# Altium PCB Iris.PcbDoc (part 6 of 13) (continued)
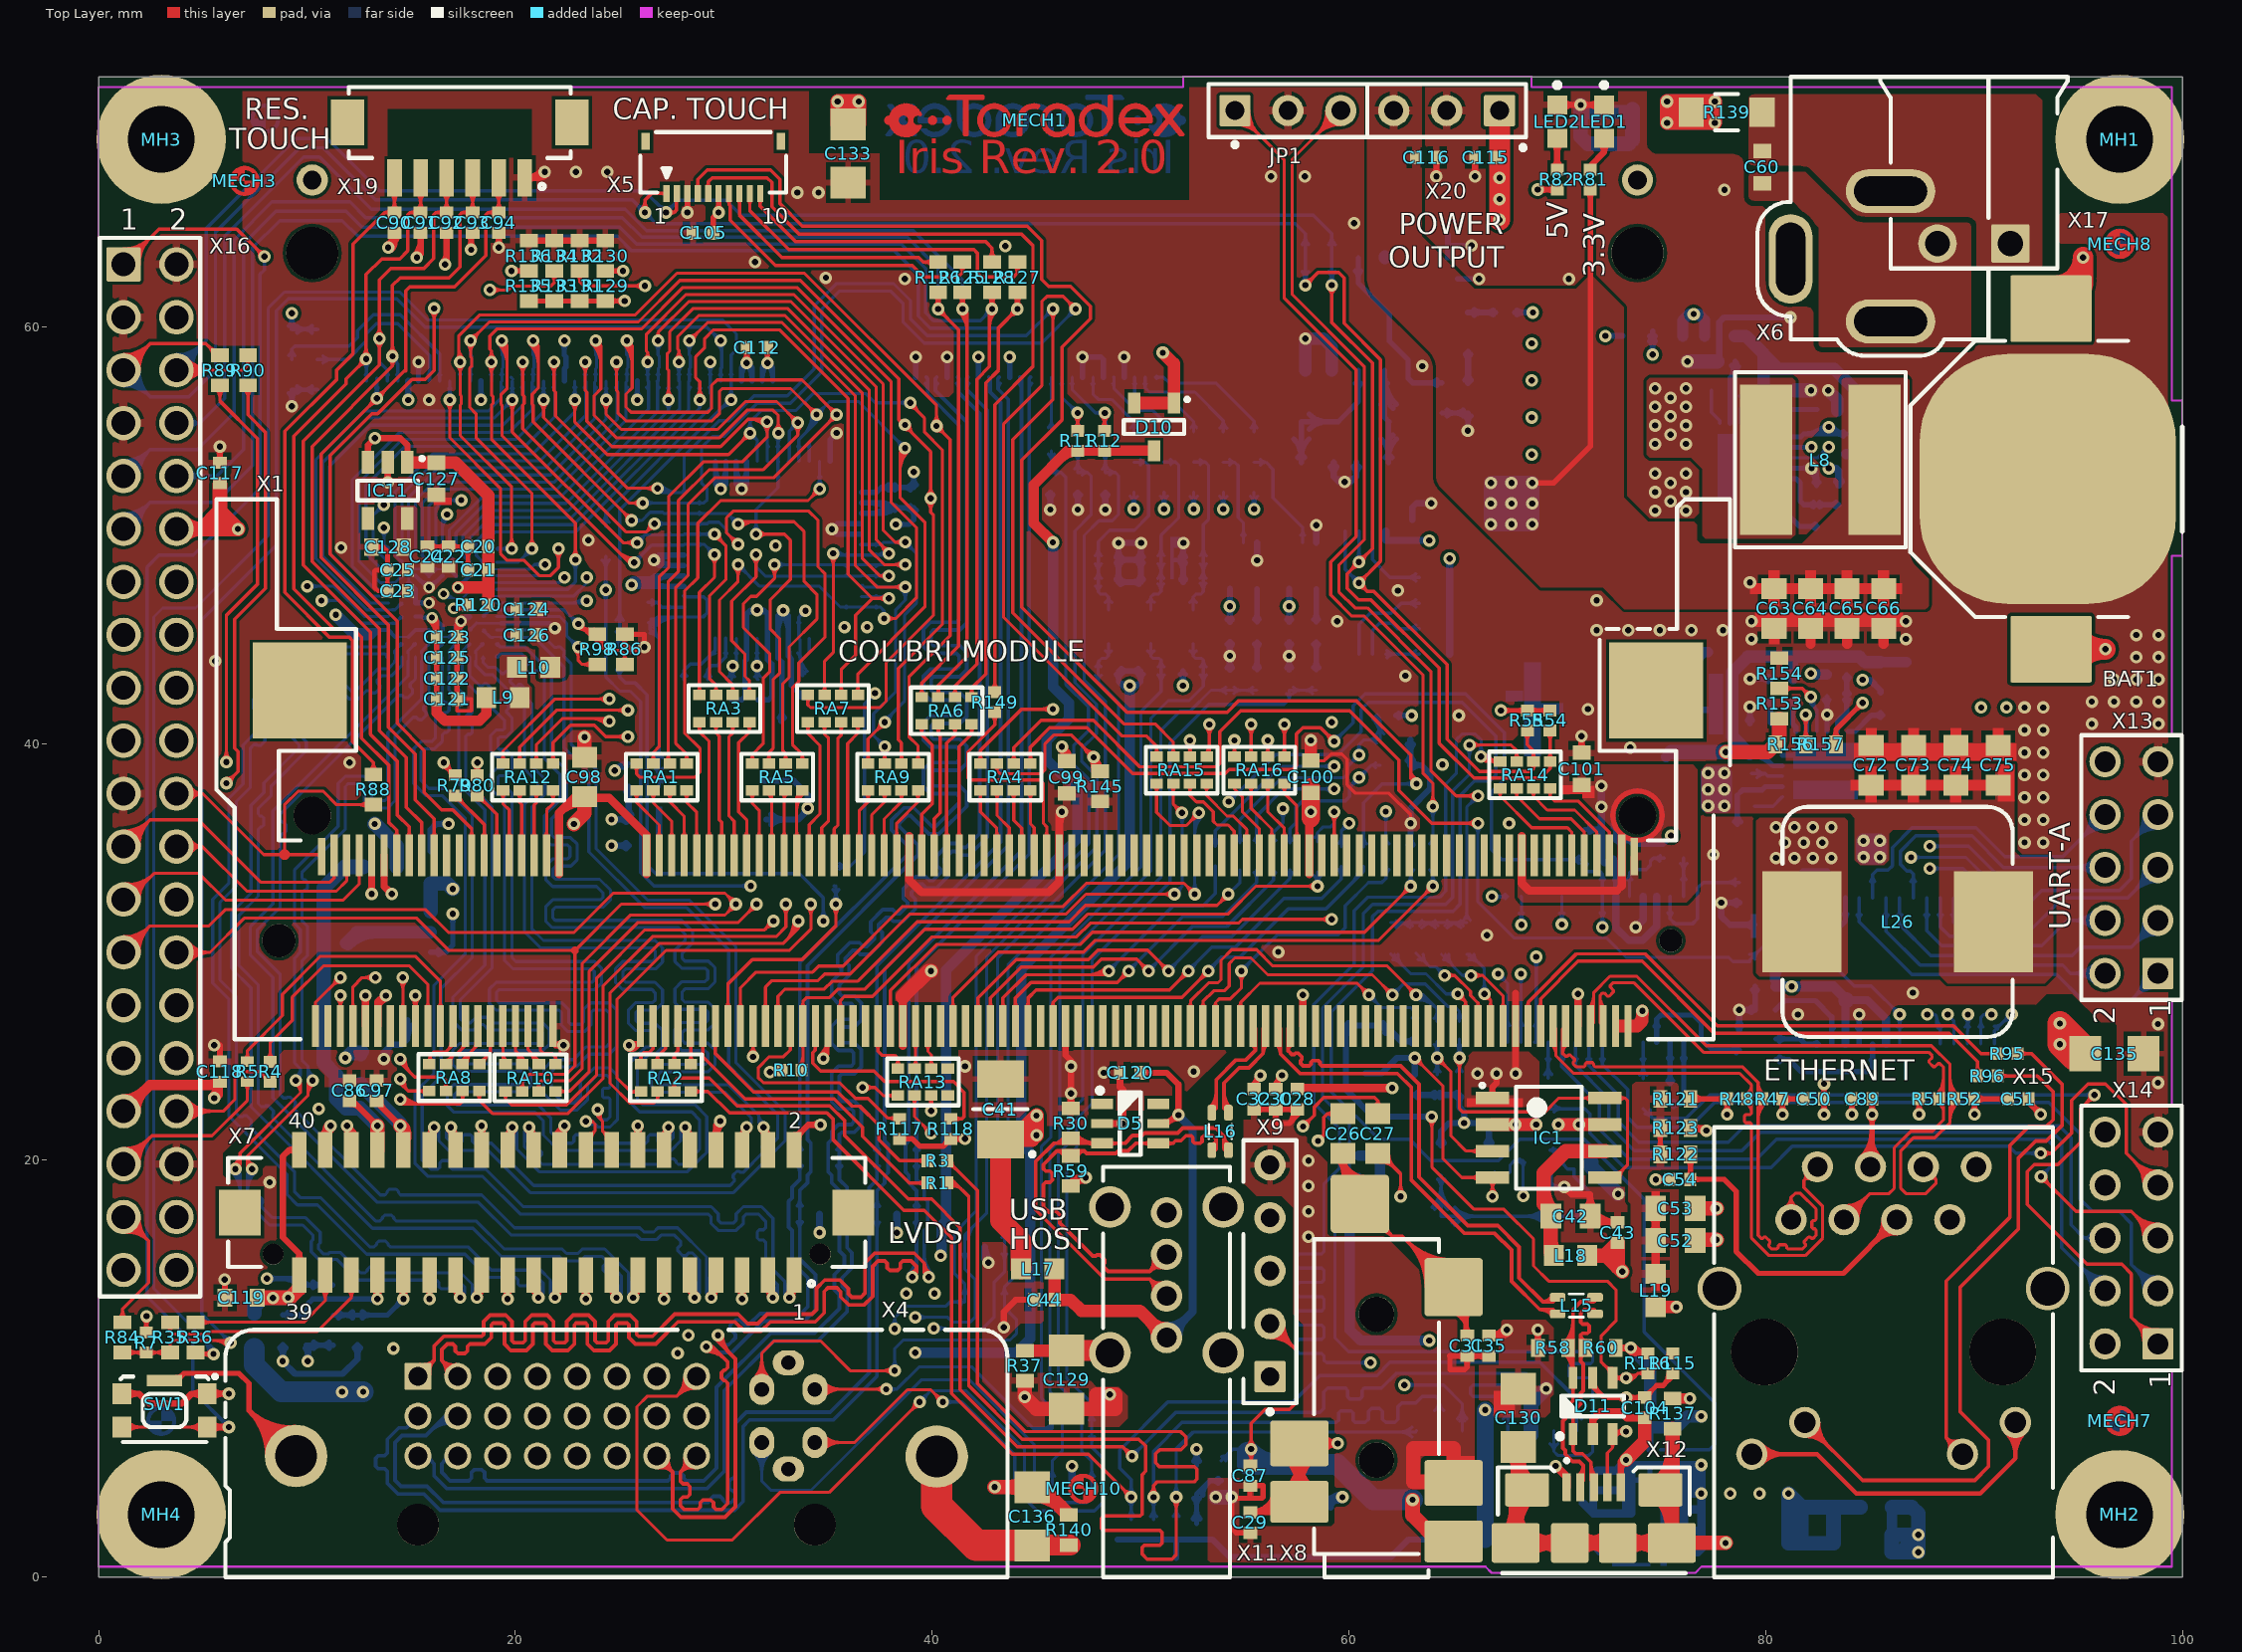
[diagram p0: Top Layer view]
## Nets (pads, with @x,y where several pads share a name; then routed paths per layer and width w, separated by ;. In a path a pad name is that pad's centre, name@x,y a point inside that pad or via, vN(x,y) a via of type N, cw(c..) or ccw(c..) an arc to the next point about the centre after c; other vN are vias at no path point) (continued)
LINEIN_R: C32.2 X1.7 X9.3 | length 71.6
  Top Layer w0.152: X1.7@12.13,27.366 ccw(c11.961,27.535) 12.2,27.535 ccw(c12.439,27.535) X1.7@12.27,27.366 ; X1.7@12.2,26.446 12.2,28.329 12.64,28.769 v1(13.286,28.769) ; v1@13.127,28.61 ccw(c12.745,28.228) 12.745,28.769 ccw(c12.745,29.309) v1@13.127,28.927 ; C32.2@55.351,23.617 ccw(c55.272,23.774) 55.448,23.774 ; C32.2@55.409,23.382 cw(c55.71,23.549) 55.467,23.793 ; C32.2@55.448,23.426 55.448,23.774 ; 55.49,23.729 cw(c55.712,23.601) v1@55.734,23.856 ; 55.501,23.747 ccw(c55.188,23.928) v1@55.537,24.021 ; v1@55.533,24.041 cw(c55.234,23.989) 55.448,23.774 ; C32.2@55.542,23.456 cw(c55.895,23.651) v1@55.61,23.936 ; C32.2@55.545,23.617 cw(c55.625,23.774) 55.448,23.774 ; C32.2@55.675,23.53 cw(c56.079,23.753) v1(55.753,24.079) 55.448,23.774 ; v1@55.715,23.859 ccw(c55.663,23.56) 55.448,23.774 ; X9.3@55.863,14.7 56.043,14.88 X9.3@56.522,14.88
  MidLayer2 w0.165: v1(13.286,28.769) 13.829,29.312 15.314,29.312 15.825,28.8 35.331,28.8 38.077,26.054 53.778,26.054 v1(55.753,24.079) 56.363,23.47 57.345,23.47 59.087,21.728 59.087,16.491 57.296,14.7 ; v1@13.286,28.986 ccw(c13.286,29.511) 13.657,29.14 ccw(c14.028,28.769) v1@13.503,28.769 ; v1@55.535,24.079 ccw(c55.01,24.079) 55.382,24.45 ccw(c55.753,24.822) v1@55.753,24.297 ; v1@55.753,23.862 cw(c55.753,23.337) 56.124,23.708 cw(c56.496,24.079) v1@55.971,24.079 ; X9.3@56.213,14.7 57.296,14.7 ; X9.3@56.662,14.474 cw(c57.028,14.29) 57.028,14.7 cw(c57.028,15.11) X9.3@56.662,14.926 ; X9.3@56.809,14.4 cw(c57.296,14.156) 57.296,14.7 ; X9.3@56.809,15 ccw(c57.296,15.244) 57.296,14.7
LVDS_3.3V: C97.2 L25.2 R40.2 R44.1 X7.32 | length 27.5
  Top Layer w0.3: C97.2@13.43,22.853 13.357,22.779 v1(14.478,21.658) v1@14.478,21.703 ; C97.2@13.515,22.853 ccw(c14.075,22.853) 13.679,22.457 ; v1@14.328,21.658 ccw(c13.966,21.658) 14.222,21.914 ccw(c14.478,22.17) v1@14.478,21.808
  Top Layer w0.7: X7.32@14.625,20.5 14.625,21.511 v1(14.478,21.658) cw(c14.033,21.213) X7.32@14.625,21
  MidLayer2 w0.254: v1@9.911,10.486 ccw(c9.615,10.781) 10.033,10.781 ccw(c10.451,10.781) v1@10.155,10.486 ; v1(10.033,10.363) 10.033,17.213 v1(14.478,21.658) ; v1@14.305,21.658 cw(c13.887,21.658) 14.183,21.362 cw(c14.478,21.067) v1@14.478,21.485
  Bottom Layer w0.254: R44.1@9.902,10.987 cw(c9.564,10.649) 10.042,10.649 cw(c10.52,10.649) R44.1@10.182,10.987 ; v1@9.911,10.486 ccw(c9.593,10.803) R44.1@10.042,10.803 ; v1@9.929,10.502 ccw(c9.79,10.689) 10.015,10.749 ; R44.1@9.967,11.127 R40.2@11.261,11.127 ; v1@10.042,10.343 R44.1@10.042,11.127 ; 10.042,10.759 ccw(c10.428,10.759) v1@10.155,10.486 ; 10.077,10.779 ccw(c10.371,10.7) v1@10.156,10.485 ; R44.1@10.317,10.992 cw(c10.643,10.666) 10.643,11.127 ; R44.1@10.317,11.272 ccw(c10.667,11.622) 10.667,11.127 ; 10.706,11.127 ccw(c10.706,11.622) R40.2@11.056,11.272 ; 10.73,11.127 cw(c10.73,10.666) R40.2@11.056,10.992
  Bottom Layer w0.7: L25.2@12.575,23.662 14.478,21.759 v1(14.478,21.658)
LVDS_5V: C86.2 L31.2 R41.1 R45.2 X7.34 | length 37.8
  Top Layer w0.3: C86.2@12.04,22.853 12.18,22.853 v1(13.375,21.658) ; C86.2@12.08,22.713 cw(c12.08,22.132) 12.49,22.543 ; v1@13.225,21.658 ccw(c12.863,21.658) 13.119,21.914 ccw(c13.375,22.17) v1@13.375,21.808
  Top Layer w0.7: X7.34@13.375,20.5 v1(13.375,21.658)
  MidLayer2 w0.254: v1(8.077,14.326) 8.763,14.326 9.322,14.884 9.322,17.604 v1(13.375,21.658) ; v1@8.2,14.203 cw(c8.495,13.908) 8.495,14.326 cw(c8.495,14.743) v1@8.2,14.448 ; v1@13.202,21.658 cw(c12.784,21.658) 13.08,21.362 cw(c13.375,21.067) v1@13.375,21.485
  Bottom Layer w0.254: v1(8.077,14.326) 9.627,14.326 9.933,14.019 R41.1@11.227,14.019 ; v1@8.2,14.203 cw(c8.495,13.908) 8.495,14.326 cw(c8.495,14.743) v1@8.2,14.448 ; 8.737,14.326 cw(c8.737,12.819) R45.2@9.802,13.884 ; 9.35,14.326 cw(c9.35,13.432) R45.2@9.982,14.064 ; R45.2@10.282,13.884 cw(c10.608,13.558) 10.608,14.019 ; R45.2@10.282,14.164 ccw(c10.632,14.515) 10.632,14.019 ; 10.671,14.019 ccw(c10.671,14.515) R41.1@11.021,14.164 ; 10.696,14.019 cw(c10.696,13.559) R41.1@11.021,13.884
  Bottom Layer w0.7: L31.2@12.713,34.087 11.811,34.087 10.795,33.071 10.795,24.689 11.405,24.079 11.405,22.962 11.862,22.504 12.528,22.504 v1(13.375,21.658)
LVDS_A_CLK_N: IC9.B4 X7.27 | length 63.7
  Top Layer w0.15: v1@6.448,19.78 ccw(c6.137,20.345) 6.782,20.345 ; v1@6.521,19.649 ccw(c6.277,20.091) 6.782,20.091 ; v1(6.557,19.583) 6.782,19.808 ; v1@6.593,19.518 ccw(c6.417,19.837) 6.782,19.837 ; v1@6.654,19.786 ccw(c6.702,19.888) 6.782,19.808 ; v1@6.76,19.68 cw(c6.861,19.729) 6.782,19.808 ; v1@9.392,23.662 cw(c9.261,23.258) 9.686,23.258 ; v1@9.438,23.754 cw(c9.328,23.413) 9.686,23.413 ; v1(9.461,23.825) 9.686,23.6 ; v1@9.484,23.897 cw(c9.394,23.619) 9.686,23.619 ; v1@9.558,23.622 cw(c9.606,23.521) 9.686,23.6 ; v1@9.664,23.728 ccw(c9.765,23.68) 9.686,23.6 ; X7.27@17.025,13.807 ccw(c17.321,13.978) v1@17.339,13.636 ; X7.27@17.05,13.735 cw(c17.022,13.636) 17.125,13.636 ; X7.27@17.096,13.683 ccw(c17.219,13.753) v1@17.269,13.621 ; X7.27@17.101,13.726 ccw(c17.422,13.812) v1@17.363,13.485 ; X7.27@17.106,14.016 ccw(c17.316,13.836) 17.121,13.641 ; X7.27@17.109,13.694 ccw(c17.383,13.768) v1@17.357,13.486 ; X7.27@17.125,13.773 ccw(c17.712,13.773) v1@17.297,13.358 ; X7.27@17.125,14.135 ccw(c18.074,14.135) v1@17.403,13.464 ; X7.27@17.125,14.498 ccw(c18.436,14.498) v1@17.509,13.57 ; X7.27@17.125,14.5 17.125,13.636 ; v1@17.147,13.508 ccw(c17.045,13.557) 17.125,13.636 ; v1@17.151,13.517 ccw(c17.005,13.594) 17.148,13.677 ccw(c17.246,13.733) v1@17.281,13.625 ; X7.27@17.2,13.735 ccw(c17.228,13.636) 17.125,13.636 ; X7.27@17.22,13.919 ccw(c17.44,13.731) v1@17.235,13.526 ; v1@17.253,13.614 cw(c17.205,13.716) 17.125,13.636 ; X7.27@17.334,13.821 ccw(c17.564,13.625) v1(17.35,13.411) 17.125,13.636 ; 6.782,19.808 6.782,20.345 ; 6.782,20.345 9.686,23.249 9.686,23.6 ; X7.27@17.107,13.664 cw(c16.885,13.536) 17.133,13.469 ccw(c16.885,13.536) X7.27@17.107,13.664
  Bottom Layer w0.105: 15.523,43.961 15.523,44.337
  Bottom Layer w0.15: v1@6.398,19.424 cw(c5.47,18.497) 6.782,18.497 ; v1@6.504,19.53 cw(c5.833,18.859) 6.782,18.859 ; v1(6.557,19.583) 6.782,19.358 6.782,18.313 7.573,17.523 8.199,16.897 9.786,16.897 10.281,16.402 10.281,16.193 10.199,16.11 10.199,15.612 10.655,15.156 11.153,15.156 11.236,15.239 11.445,15.239 12.428,14.255 12.79,14.255 16.209,14.255 16.319,14.145 16.319,13.946 16.429,13.836 16.759,13.836 16.869,13.946 16.869,14.145 16.979,14.255 17.229,14.255 17.575,13.909 ; v1@6.61,19.636 cw(c6.195,19.221) 6.782,19.221 ; v1@9.411,24.045 ccw(c9.333,24.389) 9.686,24.389 ; v1@9.444,23.898 ccw(c9.376,24.201) 9.686,24.201 ; v1(9.461,23.825) 9.686,24.05 9.686,24.389 ; 15.5,43.961 15.5,42.155 13.874,40.529 13.874,37.407 13.723,37.256 13.239,37.256 13.106,37.389 13.106,38.075 12.751,38.43 11.836,38.43 11.486,38.08 11.486,36.035 9.404,33.952 9.404,31.351 9.677,31.077 9.677,29.984 9.404,29.711 9.404,24.671 9.686,24.389 ; 15.5,44.337 15.5,44.45 IC9.B4@15.85,44.8 ; IC9.B4@15.78,44.8 cw(c15.611,44.8) 15.731,44.681 cw(c15.85,44.561) IC9.B4@15.85,44.73 ; v1@17.328,13.635 ccw(c17.3,13.909) 17.575,13.909 ; v1@17.343,13.486 ccw(c17.317,13.743) 17.575,13.743 ; v1(17.35,13.411) 17.575,13.636 17.575,13.909
LVDS_A_CLK_P: IC9.A4 X7.25 | length 64.6
  Top Layer w0.15: 7.132,19.789 ccw(c7.423,19.789) v1@7.334,19.512 ; 7.132,19.995 ccw(c7.489,19.995) v1@7.38,19.655 ; v1@7.154,19.68 ccw(c7.052,19.729) 7.132,19.808 ; v1@7.26,19.786 cw(c7.211,19.888) 7.132,19.808 ; v1(7.357,19.583) 7.132,19.808 ; v1@7.426,19.798 cw(c7.555,20.2) 7.132,20.2 ; 10.036,23.121 cw(c10.669,23.121) v1@10.368,23.678 ; 10.036,23.322 cw(c10.533,23.322) v1@10.296,23.759 ; 10.036,23.574 cw(c10.397,23.574) v1@10.225,23.891 ; v1@10.058,23.728 cw(c9.956,23.68) 10.036,23.6 ; v1@10.164,23.622 ccw(c10.115,23.521) 10.036,23.6 ; v1(10.261,23.825) 10.036,23.6 ; v1@17.991,13.57 ccw(c17.064,14.498) X7.25@18.375,14.498 ; v1@18.097,13.464 ccw(c17.426,14.135) X7.25@18.375,14.135 ; v1@18.137,13.485 ccw(c18.078,13.812) X7.25@18.399,13.726 ; v1@18.143,13.486 ccw(c18.117,13.768) X7.25@18.391,13.694 ; v1@18.161,13.636 ccw(c18.179,13.978) X7.25@18.475,13.807 ; X7.25@18.166,13.821 cw(c17.936,13.625) v1(18.15,13.411) 18.375,13.636 ; v1@18.203,13.358 ccw(c17.788,13.773) X7.25@18.375,13.773 ; v1@18.219,13.625 ccw(c18.254,13.733) 18.352,13.677 ccw(c18.495,13.594) v1@18.349,13.517 ; v1@18.231,13.621 ccw(c18.281,13.753) X7.25@18.404,13.683 ; v1@18.247,13.614 ccw(c18.295,13.716) 18.375,13.636 ; v1@18.265,13.526 ccw(c18.06,13.731) X7.25@18.28,13.919 ; X7.25@18.3,13.735 cw(c18.272,13.636) 18.375,13.636 ; v1@18.353,13.508 cw(c18.455,13.557) 18.375,13.636 ; X7.25@18.375,14.5 18.375,13.636 ; 18.379,13.641 ccw(c18.184,13.836) X7.25@18.394,14.016 ; X7.25@18.45,13.735 ccw(c18.478,13.636) 18.375,13.636 ; 7.132,19.808 7.132,20.2 ; 7.132,20.2 10.036,23.104 10.036,23.6 ; v1@18.367,13.469 cw(c18.615,13.536) 18.393,13.664 ccw(c18.615,13.536) v1@18.367,13.469
  Bottom Layer w0.15: 7.132,18.497 cw(c8.443,18.497) v1@7.516,19.424 ; 7.132,18.859 cw(c8.081,18.859) v1@7.41,19.53 ; 7.132,19.221 cw(c7.719,19.221) v1@7.304,19.636 ; v1(7.357,19.583) 7.132,19.358 7.132,18.458 7.276,18.315 7.431,18.315 7.469,18.353 7.625,18.353 7.858,18.119 7.858,17.964 7.82,17.926 7.82,17.77 8.344,17.247 9.931,17.247 10.631,16.547 10.631,16.048 10.549,15.965 10.549,15.757 10.8,15.506 11.008,15.506 11.091,15.589 11.589,15.589 12.573,14.605 12.79,14.605 12.9,14.715 12.9,14.769 13.01,14.879 13.34,14.879 13.45,14.769 13.45,14.715 13.56,14.605 17.374,14.605 17.925,14.054 ; 10.036,24.061 ccw(c10.372,24.061) v1@10.229,23.757 ; 10.036,24.297 ccw(c10.482,24.297) v1@10.293,23.893 ; v1(10.261,23.825) 10.036,24.05 10.036,24.534 ; v1@10.356,24.029 cw(c10.593,24.534) 10.036,24.534 ; IC9.A4@15.85,44.15 15.85,42.01 15.812,41.973 15.598,41.759 15.598,41.617 15.718,41.497 15.718,41.356 15.506,41.144 15.365,41.144 15.245,41.264 15.104,41.264 14.224,40.384 14.224,37.262 13.868,36.906 13.094,36.906 12.756,37.244 12.756,37.93 12.606,38.08 11.981,38.08 11.836,37.935 11.836,35.89 9.754,33.807 9.754,33.557 9.854,33.457 9.916,33.457 10.016,33.357 10.016,33.057 9.916,32.957 9.854,32.957 9.754,32.857 9.754,31.496 10.027,31.222 10.027,29.839 9.754,29.566 9.754,24.816 10.036,24.534 ; 17.925,13.625 ccw(c18.228,13.625) v1@18.124,13.341 ; 17.925,13.839 ccw(c18.306,13.839) v1@18.176,13.482 ; v1(18.15,13.411) 17.925,13.636 17.925,14.054 ; v1@18.227,13.623 cw(c18.384,14.054) 17.925,14.054
LVDS_A_TX0_N: IC9.B1 X7.21 | length 60.9
  Top Layer w0.15: X7.21@20.775,13.807 ccw(c21.071,13.978) v1@21.089,13.636 ; X7.21@20.8,13.735 cw(c20.772,13.636) 20.875,13.636 ; X7.21@20.846,13.683 ccw(c20.969,13.753) v1@21.019,13.621 ; X7.21@20.851,13.726 ccw(c21.172,13.812) v1@21.113,13.485 ; X7.21@20.856,14.016 ccw(c21.066,13.836) 20.871,13.641 ; X7.21@20.859,13.694 ccw(c21.133,13.768) v1@21.107,13.486 ; X7.21@20.875,13.773 ccw(c21.462,13.773) v1@21.047,13.358 ; X7.21@20.875,14.135 ccw(c21.824,14.135) v1@21.153,13.464 ; X7.21@20.875,14.498 ccw(c22.186,14.498) v1@21.259,13.57 ; X7.21@20.875,14.5 20.875,13.636 ; v1@20.897,13.508 ccw(c20.795,13.557) 20.875,13.636 ; v1@20.901,13.517 ccw(c20.755,13.594) 20.898,13.677 ccw(c20.996,13.733) v1@21.031,13.625 ; X7.21@20.95,13.735 ccw(c20.978,13.636) 20.875,13.636 ; X7.21@20.97,13.919 ccw(c21.19,13.731) v1@20.985,13.526 ; v1@21.003,13.614 cw(c20.955,13.716) 20.875,13.636 ; X7.21@21.084,13.821 ccw(c21.314,13.625) v1(21.1,13.411) 20.875,13.636 ; X7.21@20.857,13.664 cw(c20.635,13.536) 20.883,13.469 ccw(c20.635,13.536) X7.21@20.857,13.664
  Bottom Layer w0.15: IC9.B1@13.83,44.8 cw(c13.661,44.8) 13.781,44.681 cw(c13.9,44.561) IC9.B1@13.9,44.73 ; IC9.B1@13.9,44.8 13.75,44.65 11.643,44.65 10.65,43.657 10.449,43.657 9.935,44.171 9.449,44.171 8.915,43.637 8.915,43.189 9.48,42.624 9.48,42.487 9.132,42.139 8.969,42.139 8.436,42.671 7.95,42.671 7.416,42.137 7.416,41.69 7.981,41.125 7.981,40.988 7.192,40.199 6.928,39.935 6.928,38.056 6.254,37.381 6.254,33.305 5.469,32.52 5.469,28.516 6.254,27.731 6.254,22.105 9.042,19.317 9.042,18.357 9.537,17.862 10.498,17.862 12.861,15.498 13.223,15.498 17.585,15.498 18.702,14.382 20.019,14.382 20.117,14.284 20.117,14.075 20.215,13.977 20.509,13.977 20.607,14.075 20.607,14.284 20.705,14.382 21.064,14.382 21.325,14.121 ; v1@21.004,13.615 ccw(c20.765,14.121) 21.325,14.121 ; v1@21.068,13.479 ccw(c20.877,13.884) 21.325,13.884 ; v1(21.1,13.411) 21.325,13.636 21.325,14.121 ; v1@21.132,13.343 ccw(c20.988,13.648) 21.325,13.648
LVDS_A_TX0_P: IC9.A1 X7.19 | length 61.2
  Top Layer w0.15: v1@21.741,13.57 ccw(c20.814,14.498) X7.19@22.125,14.498 ; v1@21.847,13.464 ccw(c21.176,14.135) X7.19@22.125,14.135 ; v1@21.887,13.485 ccw(c21.828,13.812) X7.19@22.149,13.726 ; v1@21.893,13.486 ccw(c21.867,13.768) X7.19@22.141,13.694 ; v1@21.911,13.636 ccw(c21.929,13.978) X7.19@22.225,13.807 ; X7.19@21.916,13.821 cw(c21.686,13.625) v1(21.9,13.411) 22.125,13.636 ; v1@21.953,13.358 ccw(c21.538,13.773) X7.19@22.125,13.773 ; v1@21.969,13.625 ccw(c22.004,13.733) 22.102,13.677 ccw(c22.245,13.594) v1@22.099,13.517 ; v1@21.981,13.621 ccw(c22.031,13.753) X7.19@22.154,13.683 ; v1@21.997,13.614 ccw(c22.045,13.716) 22.125,13.636 ; v1@22.015,13.526 ccw(c21.81,13.731) X7.19@22.03,13.919 ; X7.19@22.05,13.735 cw(c22.022,13.636) 22.125,13.636 ; v1@22.103,13.508 cw(c22.205,13.557) 22.125,13.636 ; X7.19@22.125,14.5 22.125,13.636 ; 22.129,13.641 ccw(c21.934,13.836) X7.19@22.144,14.016 ; X7.19@22.2,13.735 ccw(c22.228,13.636) 22.125,13.636 ; v1@22.117,13.469 cw(c22.365,13.536) 22.143,13.664 ccw(c22.365,13.536) v1@22.117,13.469
  Bottom Layer w0.15: IC9.A1@13.83,44.15 ccw(c13.661,44.15) 13.781,44.269 ccw(c13.9,44.389) IC9.A1@13.9,44.22 ; IC9.A1@13.9,44.15 13.75,44.3 11.788,44.3 11.597,44.109 11.597,43.968 11.641,43.924 11.641,43.782 11.429,43.57 11.288,43.57 11.244,43.614 11.102,43.614 10.795,43.307 10.304,43.307 9.791,43.821 9.594,43.821 9.265,43.492 9.265,43.334 9.83,42.769 9.83,42.342 9.277,41.789 8.824,41.789 8.291,42.321 8.095,42.321 7.766,41.992 7.766,41.835 8.331,41.27 8.331,40.843 7.934,40.446 7.934,40.305 7.978,40.261 7.978,40.119 7.766,39.907 7.624,39.907 7.581,39.951 7.439,39.951 7.278,39.79 7.278,37.911 6.604,37.236 6.604,33.16 5.819,32.375 5.819,28.661 6.604,27.876 6.604,22.25 6.748,22.107 6.903,22.107 6.941,22.145 7.097,22.145 7.33,21.911 7.33,21.756 7.292,21.718 7.292,21.562 9.392,19.462 9.392,18.502 9.682,18.212 10.643,18.212 13.006,15.848 13.223,15.848 13.333,15.958 13.333,16.012 13.443,16.122 13.773,16.122 13.883,16.012 13.883,15.958 13.993,15.848 17.73,15.848 18.847,14.732 21.209,14.732 21.675,14.266 ; 21.675,13.696 ccw(c22.096,13.696) v1@21.858,13.349 ; 21.675,13.981 ccw(c22.291,13.981) v1@21.942,13.473 ; v1(21.9,13.411) 21.675,13.636 21.675,14.266 ; v1@22.027,13.597 cw(c22.487,14.266) 21.675,14.266
LVDS_A_TX1_N: IC9.B2 X7.15 | length 61.1
  Top Layer w0.15: X7.15@24.525,13.807 ccw(c24.821,13.978) v1@24.839,13.636 ; X7.15@24.55,13.735 cw(c24.522,13.636) 24.625,13.636 ; X7.15@24.596,13.683 ccw(c24.719,13.753) v1@24.769,13.621 ; X7.15@24.601,13.726 ccw(c24.922,13.812) v1@24.863,13.485 ; X7.15@24.606,14.016 ccw(c24.816,13.836) 24.621,13.641 ; X7.15@24.609,13.694 ccw(c24.883,13.768) v1@24.857,13.486 ; X7.15@24.625,13.773 ccw(c25.212,13.773) v1@24.797,13.358 ; X7.15@24.625,14.135 ccw(c25.574,14.135) v1@24.903,13.464 ; X7.15@24.625,14.498 ccw(c25.936,14.498) v1@25.009,13.57 ; X7.15@24.625,14.5 24.625,13.636 ; v1@24.647,13.508 ccw(c24.545,13.557) 24.625,13.636 ; v1@24.651,13.517 ccw(c24.505,13.594) 24.648,13.677 ccw(c24.746,13.733) v1@24.781,13.625 ; X7.15@24.7,13.735 ccw(c24.728,13.636) 24.625,13.636 ; X7.15@24.72,13.919 ccw(c24.94,13.731) v1@24.735,13.526 ; v1@24.753,13.614 cw(c24.705,13.716) 24.625,13.636 ; X7.15@24.834,13.821 ccw(c25.064,13.625) v1(24.85,13.411) 24.625,13.636 ; X7.15@24.607,13.664 cw(c24.385,13.536) 24.633,13.469 ccw(c24.385,13.536) X7.15@24.607,13.664
  Bottom Layer w0.105: 14.223,43.961 14.223,44.337
  Bottom Layer w0.15: 14.2,43.961 14.2,43.9 13.9,43.6 13.417,43.6 12.613,42.796 12.312,42.494 12.151,42.494 11.824,42.821 11.374,42.821 10.813,42.261 10.813,41.81 11.14,41.483 11.14,41.323 10.784,40.967 10.624,40.967 10.297,41.294 9.847,41.294 9.286,40.733 9.286,40.283 9.613,39.956 9.613,39.795 7.93,38.113 7.93,37.661 7.308,37.038 7.308,36.621 7.308,32.822 6.368,31.882 6.368,29.218 7.308,28.277 7.308,22.575 13.141,16.742 14.273,16.742 17.967,16.742 19.312,15.397 22.093,15.397 22.309,15.182 23.144,15.182 23.36,15.397 24.138,15.397 24.338,15.198 24.338,15.042 24.197,14.902 24.197,14.746 24.43,14.513 24.586,14.513 24.727,14.653 24.882,14.653 25.075,14.46 25.075,13.636 v1(24.85,13.411) ; 14.2,44.337 14.2,44.45 IC9.B2@14.55,44.8 ; IC9.B2@14.48,44.8 cw(c14.311,44.8) 14.431,44.681 cw(c14.55,44.561) IC9.B2@14.55,44.73 ; v1@24.731,13.602 ccw(c24.341,14.224) 25.075,14.224 ; v1@24.81,13.475 ccw(c24.511,13.953) 25.075,13.953 ; v1@24.89,13.348 ccw(c24.68,13.682) 25.075,13.682
LVDS_A_TX1_P: IC9.A2 X7.13 | length 61.4
  Top Layer w0.15: v1@25.491,13.57 ccw(c24.564,14.498) X7.13@25.875,14.498 ; v1@25.597,13.464 ccw(c24.926,14.135) X7.13@25.875,14.135 ; v1@25.637,13.485 ccw(c25.578,13.812) X7.13@25.899,13.726 ; v1@25.643,13.486 ccw(c25.617,13.768) X7.13@25.891,13.694 ; v1@25.661,13.636 ccw(c25.679,13.978) X7.13@25.975,13.807 ; X7.13@25.666,13.821 cw(c25.436,13.625) v1(25.65,13.411) 25.875,13.636 ; v1@25.703,13.358 ccw(c25.288,13.773) X7.13@25.875,13.773 ; v1@25.719,13.625 ccw(c25.754,13.733) 25.852,13.677 ccw(c25.995,13.594) v1@25.849,13.517 ; v1@25.731,13.621 ccw(c25.781,13.753) X7.13@25.904,13.683 ; v1@25.747,13.614 ccw(c25.795,13.716) 25.875,13.636 ; v1@25.765,13.526 ccw(c25.56,13.731) X7.13@25.78,13.919 ; X7.13@25.8,13.735 cw(c25.772,13.636) 25.875,13.636 ; v1@25.853,13.508 cw(c25.955,13.557) 25.875,13.636 ; X7.13@25.875,14.5 25.875,13.636 ; 25.879,13.641 ccw(c25.684,13.836) X7.13@25.894,14.016 ; X7.13@25.95,13.735 ccw(c25.978,13.636) 25.875,13.636 ; v1@25.867,13.469 cw(c26.115,13.536) 25.893,13.664 ccw(c26.115,13.536) v1@25.867,13.469
  Bottom Layer w0.15: IC9.A2@14.55,44.15 14.55,43.755 14.045,43.25 13.562,43.25 13.376,43.063 13.376,42.916 13.493,42.798 13.493,42.651 13.273,42.431 13.126,42.431 13.008,42.548 12.861,42.548 12.457,42.144 12.006,42.144 11.679,42.471 11.519,42.471 11.163,42.116 11.163,41.955 11.49,41.628 11.49,41.178 10.929,40.617 10.479,40.617 10.152,40.944 9.992,40.944 9.636,40.588 9.636,40.428 9.963,40.101 9.963,39.65 8.28,37.968 8.28,37.516 7.658,36.893 7.658,36.621 7.762,36.517 7.821,36.517 7.925,36.413 7.925,36.101 7.821,35.997 7.762,35.997 7.658,35.893 7.658,32.677 6.718,31.737 6.718,29.363 7.658,28.422 7.658,22.72 7.802,22.577 7.957,22.577 7.995,22.615 8.151,22.615 8.384,22.381 8.384,22.226 8.346,22.188 8.346,22.032 13.286,17.092 13.503,17.092 13.613,17.202 13.613,17.256 13.723,17.366 14.053,17.366 14.163,17.256 14.163,17.202 14.273,17.092 18.112,17.092 19.457,15.747 22.238,15.747 22.453,15.532 22.999,15.532 23.215,15.747 24.283,15.747 24.585,15.445 25.13,14.901 25.425,14.605 25.425,13.636 v1(25.65,13.411) ; 25.425,13.773 ccw(c26.012,13.773) v1@25.597,13.358 ; 25.425,14.135 ccw(c26.374,14.135) v1@25.703,13.464 ; 25.425,14.498 ccw(c26.736,14.498) v1@25.809,13.57
LVDS_A_TX2_N: IC9.B3 X7.9 | length 61.7
  Top Layer w0.15: X7.9@28.275,13.807 ccw(c28.571,13.978) v1@28.589,13.636 ; X7.9@28.3,13.735 cw(c28.272,13.636) 28.375,13.636 ; X7.9@28.346,13.683 ccw(c28.469,13.753) v1@28.519,13.621 ; X7.9@28.351,13.726 ccw(c28.672,13.812) v1@28.613,13.485 ; X7.9@28.356,14.016 ccw(c28.566,13.836) 28.371,13.641 ; X7.9@28.359,13.694 ccw(c28.633,13.768) v1@28.607,13.486 ; X7.9@28.375,13.773 ccw(c28.962,13.773) v1@28.547,13.358 ; X7.9@28.375,14.135 ccw(c29.324,14.135) v1@28.653,13.464 ; X7.9@28.375,14.498 ccw(c29.686,14.498) v1@28.759,13.57 ; X7.9@28.375,14.5 28.375,13.636 ; v1@28.397,13.508 ccw(c28.295,13.557) 28.375,13.636 ; v1@28.401,13.517 ccw(c28.255,13.594) 28.398,13.677 ccw(c28.496,13.733) v1@28.531,13.625 ; X7.9@28.45,13.735 ccw(c28.478,13.636) 28.375,13.636 ; X7.9@28.47,13.919 ccw(c28.69,13.731) v1@28.485,13.526 ; v1@28.503,13.614 cw(c28.455,13.716) 28.375,13.636 ; X7.9@28.584,13.821 ccw(c28.814,13.625) v1(28.6,13.411) 28.375,13.636 ; X7.9@28.357,13.664 cw(c28.135,13.536) 28.383,13.469 ccw(c28.135,13.536) X7.9@28.357,13.664
  Bottom Layer w0.105: 14.873,43.961 14.873,44.337
  Bottom Layer w0.15: 14.85,43.961 14.85,43.255 8.362,36.767 8.362,32.301 7.266,31.205 7.266,29.869 8.362,28.773 8.362,22.994 13.368,17.989 18.232,17.989 19.808,16.412 25.817,16.412 26.022,16.207 26.787,16.207 26.992,16.412 27.631,16.412 27.935,16.108 27.935,15.953 27.795,15.812 27.795,15.657 28.028,15.423 28.184,15.423 28.324,15.564 28.48,15.564 28.825,15.219 28.825,13.636 v1(28.6,13.411) ; 14.85,44.337 14.85,44.45 IC9.B3@15.2,44.8 ; IC9.B3@15.13,44.8 cw(c14.961,44.8) 15.08,44.681 cw(c15.2,44.561) IC9.B3@15.2,44.73 ; v1@28.441,13.57 ccw(c27.514,14.498) 28.825,14.498 ; v1@28.547,13.464 ccw(c27.876,14.135) 28.825,14.135 ; v1@28.653,13.358 ccw(c28.238,13.773) 28.825,13.773
LVDS_A_TX2_P: IC9.A3 X7.7 | length 61.4
  Top Layer w0.15: v1@29.241,13.57 ccw(c28.314,14.498) X7.7@29.625,14.498 ; v1@29.347,13.464 ccw(c28.676,14.135) X7.7@29.625,14.135 ; v1@29.387,13.485 ccw(c29.328,13.812) X7.7@29.649,13.726 ; v1@29.393,13.486 ccw(c29.367,13.768) X7.7@29.641,13.694 ; v1@29.411,13.636 ccw(c29.429,13.978) X7.7@29.725,13.807 ; X7.7@29.416,13.821 cw(c29.186,13.625) v1(29.4,13.411) 29.625,13.636 ; v1@29.453,13.358 ccw(c29.038,13.773) X7.7@29.625,13.773 ; v1@29.469,13.625 ccw(c29.504,13.733) 29.602,13.677 ccw(c29.745,13.594) v1@29.599,13.517 ; v1@29.481,13.621 ccw(c29.531,13.753) X7.7@29.654,13.683 ; v1@29.497,13.614 ccw(c29.545,13.716) 29.625,13.636 ; v1@29.515,13.526 ccw(c29.31,13.731) X7.7@29.53,13.919 ; X7.7@29.55,13.735 cw(c29.522,13.636) 29.625,13.636 ; v1@29.603,13.508 cw(c29.705,13.557) 29.625,13.636 ; X7.7@29.625,14.5 29.625,13.636 ; 29.629,13.641 ccw(c29.434,13.836) X7.7@29.644,14.016 ; X7.7@29.7,13.735 ccw(c29.728,13.636) 29.625,13.636 ; v1@29.617,13.469 cw(c29.865,13.536) 29.643,13.664 ccw(c29.865,13.536) v1@29.617,13.469
  Bottom Layer w0.15: IC9.A3@15.2,44.15 15.2,43.11 14.952,42.861 14.952,42.706 15.066,42.591 15.066,42.436 14.832,42.203 14.677,42.203 14.563,42.317 14.407,42.317 8.712,36.622 8.712,36.333 8.822,36.223 8.876,36.223 8.986,36.113 8.986,35.783 8.876,35.673 8.822,35.673 8.712,35.563 8.712,32.156 7.616,31.06 7.616,30.014 8.712,28.918 8.712,23.139 8.856,22.996 9.012,22.996 9.05,23.034 9.205,23.034 9.438,22.8 9.438,22.645 9.4,22.607 9.4,22.451 13.513,18.339 13.73,18.339 13.84,18.449 13.84,18.503 13.95,18.613 14.28,18.613 14.39,18.503 14.39,18.449 14.5,18.339 18.377,18.339 19.953,16.762 25.962,16.762 26.167,16.557 26.642,16.557 26.847,16.762 27.776,16.762 29.175,15.364 29.175,13.636 v1(29.4,13.411) ; 29.175,13.773 ccw(c29.762,13.773) v1@29.347,13.358 ; 29.175,14.135 ccw(c30.124,14.135) v1@29.453,13.464 ; 29.175,14.498 ccw(c30.486,14.498) v1@29.559,13.57
LVDS_A_TX3_N: IC9.B5 X7.3 | length 60.8
  Top Layer w0.15: X7.3@32.025,13.807 ccw(c32.321,13.978) v1@32.339,13.636 ; X7.3@32.05,13.735 cw(c32.022,13.636) 32.125,13.636 ; X7.3@32.096,13.683 ccw(c32.219,13.753) v1@32.269,13.621 ; X7.3@32.101,13.726 ccw(c32.422,13.812) v1@32.363,13.485 ; X7.3@32.106,14.016 ccw(c32.316,13.836) 32.121,13.641 ; X7.3@32.109,13.694 ccw(c32.383,13.768) v1@32.357,13.486 ; X7.3@32.125,13.773 ccw(c32.712,13.773) v1@32.297,13.358 ; X7.3@32.125,14.135 ccw(c33.074,14.135) v1@32.403,13.464 ; X7.3@32.125,14.498 ccw(c33.436,14.498) v1@32.509,13.57 ; X7.3@32.125,14.5 32.125,13.636 ; v1@32.147,13.508 ccw(c32.045,13.557) 32.125,13.636 ; v1@32.151,13.517 ccw(c32.005,13.594) 32.148,13.677 ccw(c32.246,13.733) v1@32.281,13.625 ; X7.3@32.2,13.735 ccw(c32.228,13.636) 32.125,13.636 ; X7.3@32.22,13.919 ccw(c32.44,13.731) v1@32.235,13.526 ; v1@32.253,13.614 cw(c32.205,13.716) 32.125,13.636 ; X7.3@32.334,13.821 ccw(c32.564,13.625) v1(32.35,13.411) 32.125,13.636 ; X7.3@32.107,13.664 cw(c31.885,13.536) 32.133,13.469 ccw(c31.885,13.536) X7.3@32.107,13.664
  Bottom Layer w0.105: 16.173,43.961 16.173,44.337
  Bottom Layer w0.15: 16.15,43.961 16.15,40.267 15.984,40.101 15.463,40.101 15.119,39.757 15.119,38.082 15.705,37.496 16.504,37.496 17.582,36.418 17.582,29.888 16.084,28.39 16.084,24.173 15.172,23.262 15.172,19.867 15.811,19.229 16.964,19.229 18.427,19.229 20.229,17.427 ; 16.15,44.337 16.15,44.45 IC9.B5@16.5,44.8 ; IC9.B5@16.43,44.8 cw(c16.261,44.8) 16.38,44.681 cw(c16.5,44.561) IC9.B5@16.5,44.73 ; 20.229,17.427 29.247,17.427 29.386,17.288 29.386,16.98 29.731,16.635 30.601,16.635 30.946,16.98 30.946,17.288 31.085,17.427 31.659,17.427 ; 31.659,17.427 32.01,17.076 32.01,16.764 31.912,16.666 31.703,16.666 31.605,16.568 31.605,16.274 31.703,16.176 31.912,16.176 32.01,16.078 32.01,14.612 32.575,14.047 ; v1@32.275,13.623 ccw(c32.126,14.047) 32.575,14.047 ; v1@32.325,13.482 ccw(c32.201,13.835) 32.575,13.835 ; v1(32.35,13.411) 32.575,13.636 32.575,14.047 ; v1@32.375,13.34 ccw(c32.275,13.623) 32.575,13.623
LVDS_A_TX3_P: IC9.A5 X7.1 | length 60.8
  Top Layer w0.15: v1@32.991,13.57 ccw(c32.064,14.498) X7.1@33.375,14.498 ; v1@33.097,13.464 ccw(c32.426,14.135) X7.1@33.375,14.135 ; v1@33.137,13.485 ccw(c33.078,13.812) X7.1@33.399,13.726 ; v1@33.143,13.486 ccw(c33.117,13.768) X7.1@33.391,13.694 ; v1@33.161,13.636 ccw(c33.179,13.978) X7.1@33.475,13.807 ; X7.1@33.166,13.821 cw(c32.936,13.625) v1(33.15,13.411) 33.375,13.636 ; v1@33.203,13.358 ccw(c32.788,13.773) X7.1@33.375,13.773 ; v1@33.219,13.625 ccw(c33.254,13.733) 33.352,13.677 ccw(c33.495,13.594) v1@33.349,13.517 ; v1@33.231,13.621 ccw(c33.281,13.753) X7.1@33.404,13.683 ; v1@33.247,13.614 ccw(c33.295,13.716) 33.375,13.636 ; v1@33.265,13.526 ccw(c33.06,13.731) X7.1@33.28,13.919 ; X7.1@33.3,13.735 cw(c33.272,13.636) 33.375,13.636 ; v1@33.353,13.508 cw(c33.455,13.557) 33.375,13.636 ; X7.1@33.375,14.5 33.375,13.636 ; 33.379,13.641 ccw(c33.184,13.836) X7.1@33.394,14.016 ; X7.1@33.45,13.735 ccw(c33.478,13.636) 33.375,13.636 ; v1@33.367,13.469 cw(c33.615,13.536) 33.393,13.664 ccw(c33.615,13.536) v1@33.367,13.469
  Bottom Layer w0.15: IC9.A5@16.5,44.15 16.5,42.071 16.596,41.975 16.715,41.975 16.811,41.879 16.811,41.591 16.715,41.495 16.596,41.495 16.5,41.399 16.5,41.111 16.596,41.015 16.715,41.015 16.811,40.919 16.811,40.631 16.715,40.535 16.596,40.535 16.5,40.439 16.5,40.122 16.129,39.751 15.608,39.751 15.469,39.612 15.469,38.227 15.85,37.846 16.649,37.846 17.932,36.563 17.932,29.743 16.434,28.245 16.434,24.028 15.522,23.117 15.522,20.012 15.956,19.579 16.278,19.579 16.376,19.677 16.376,19.886 16.474,19.984 16.768,19.984 16.866,19.886 16.866,19.677 16.964,19.579 18.572,19.579 20.374,17.777 29.391,17.777 29.736,17.433 29.736,17.125 29.875,16.985 30.457,16.985 30.596,17.125 30.596,17.433 30.941,17.777 31.804,17.777 32.36,17.221 32.36,16.764 32.36,14.757 32.925,14.192 ; 32.925,13.671 ccw(c33.301,13.671) v1@33.112,13.346 ; 32.925,13.932 ccw(c33.452,13.932) v1@33.188,13.476 ; v1(33.15,13.411) 32.925,13.636 32.925,14.192 ; v1@33.263,13.606 cw(c33.602,14.192) 32.925,14.192